# KiCad board Si5351ABreakout_panel.kicad_pcb (continued)
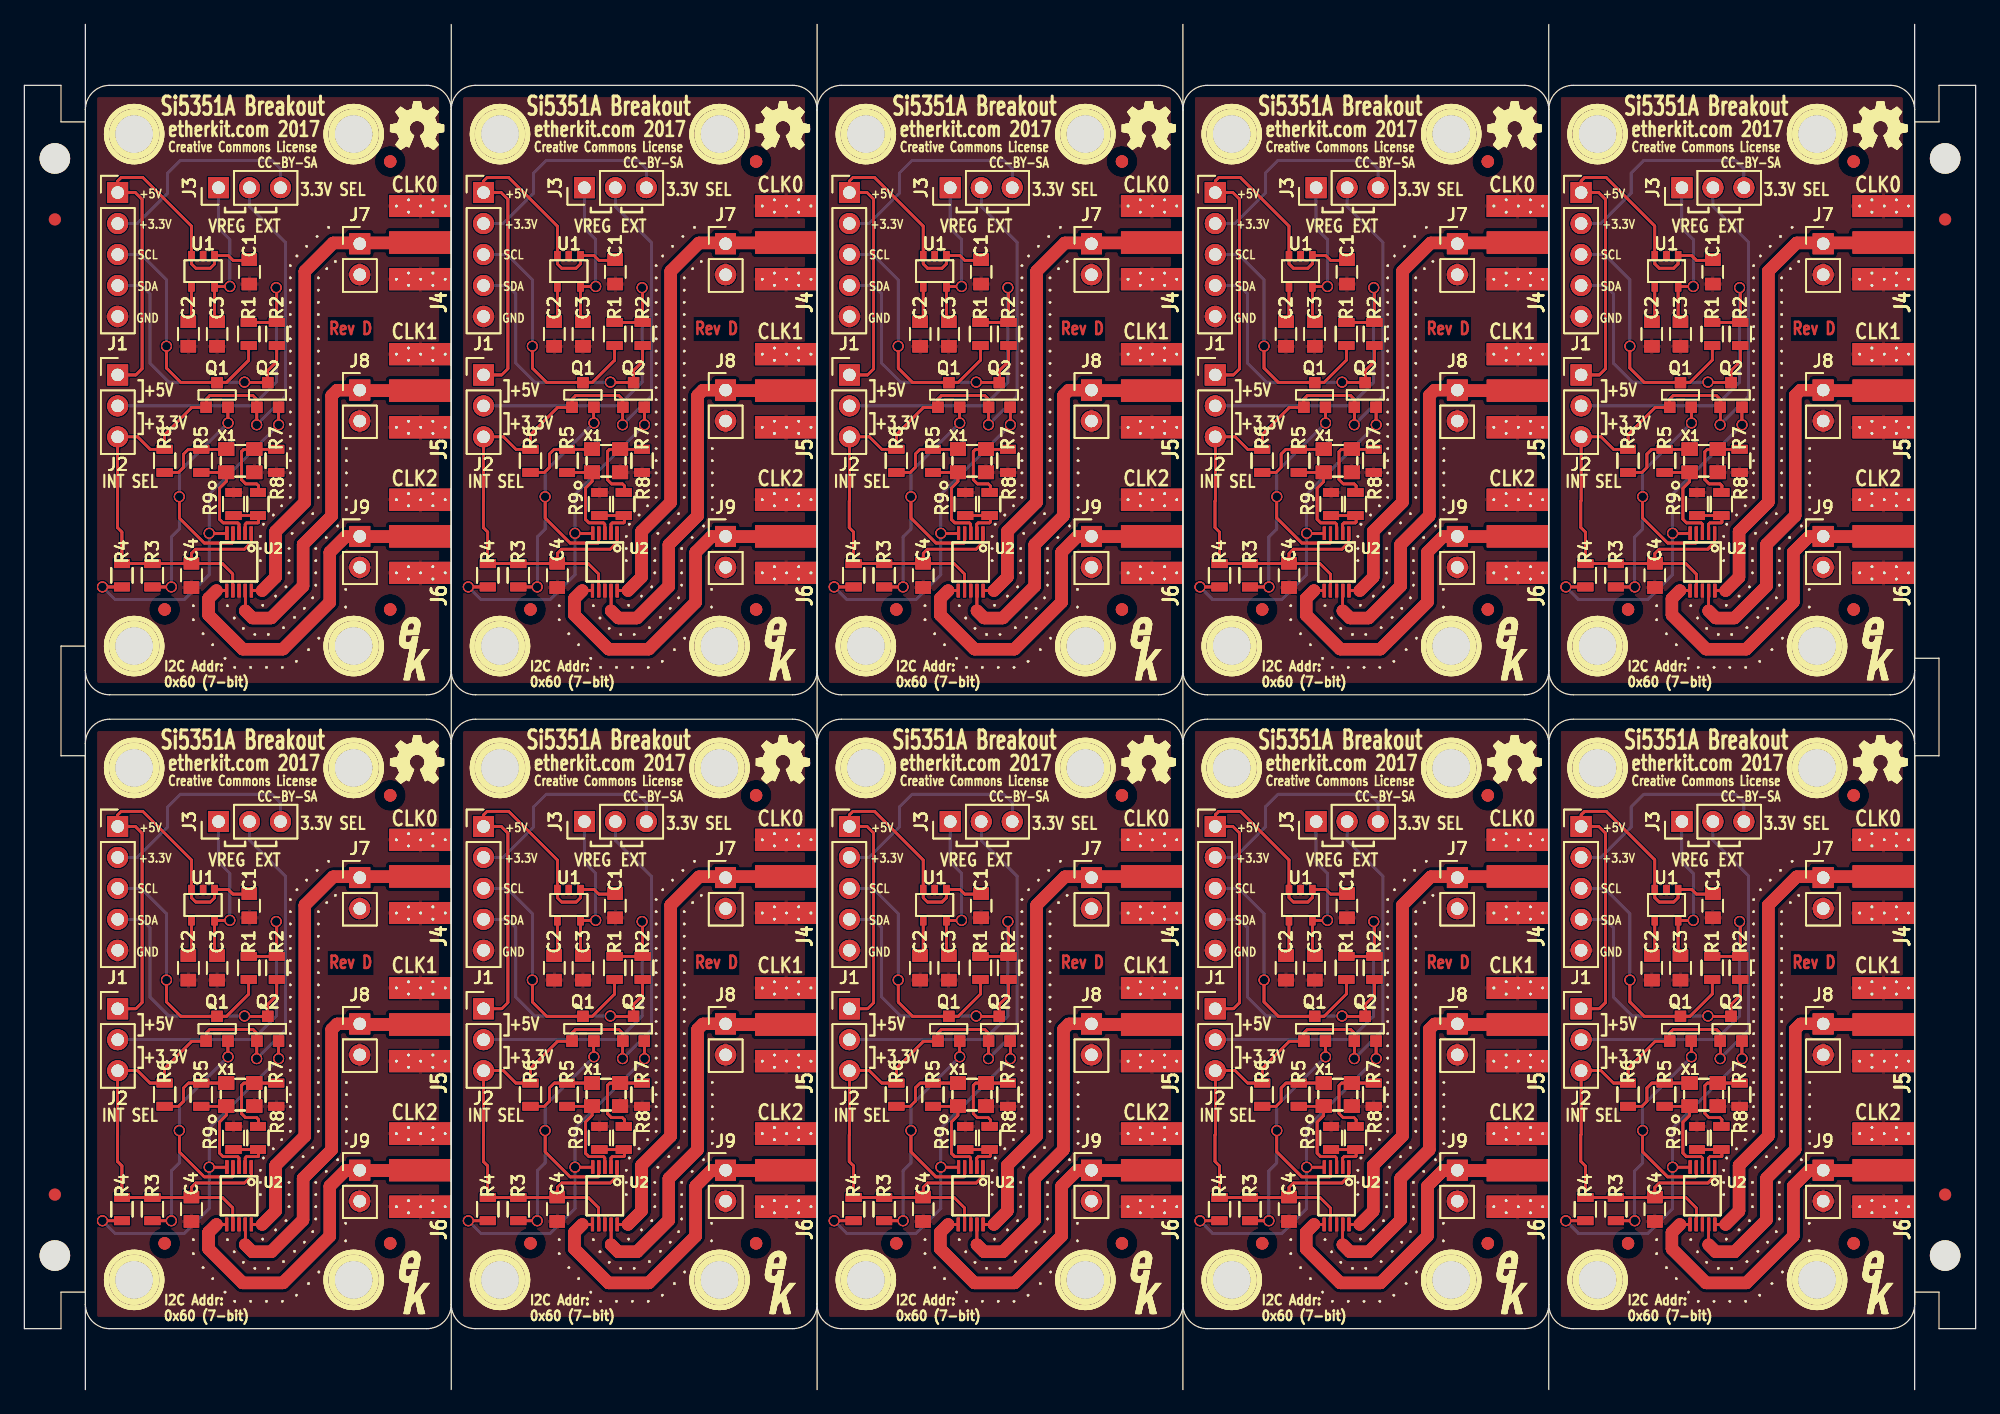
[diagram p0: board, top side]
## Placement (name value [footprint] x y rotation side) (continued)
VIA#2530  VAL**  [VIA]  24.1 37.2 0 top
VIA#2531  VAL**  [VIA]  24.1 37.2 0 top
VIA#2532  VAL**  [VIA]  24.1 38.2 0 top
VIA#2533  VAL**  [VIA]  21.8 23.2 0 top
VIA#2534  VAL**  [VIA]  21.8 22.2 0 top
VIA#2535  VAL**  [VIA]  21.8 22.2 0 top
VIA#2536  VAL**  [VIA]  21.8 22.2 0 top
VIA#2537  VAL**  [VIA]  21.8 22.2 0 top
VIA#2538  VAL**  [VIA]  21.8 23.2 0 top
VIA#2539  VAL**  [VIA]  21.8 23.2 0 top
VIA#2540  VAL**  [VIA]  24.1 26.2 0 top
VIA#2541  VAL**  [VIA]  24.1 26.2 0 top
VIA#2542  VAL**  [VIA]  24.1 25.2 0 top
VIA#2543  VAL**  [VIA]  21.8 25.2 0 top
VIA#2544  VAL**  [VIA]  21.8 24.2 0 top
VIA#2545  VAL**  [VIA]  21.8 24.2 0 top
VIA#2546  VAL**  [VIA]  21.8 23.2 0 top
VIA#2547  VAL**  [VIA]  24.1 22.2 0 top
VIA#2548  VAL**  [VIA]  24.1 22.2 0 top
VIA#2549  VAL**  [VIA]  21.8 24.2 0 top
VIA#2550  VAL**  [VIA]  21.8 24.2 0 top
VIA#2551  VAL**  [VIA]  24.1 23.2 0 top
VIA#2552  VAL**  [VIA]  24.1 24.2 0 top
VIA#2553  VAL**  [VIA]  24.1 25.2 0 top
VIA#2554  VAL**  [VIA]  24.1 24.2 0 top
VIA#2555  VAL**  [VIA]  24.1 23.2 0 top
VIA#2556  VAL**  [VIA]  21.8 26.2 0 top
VIA#2557  VAL**  [VIA]  21.8 25.2 0 top
VIA#2558  VAL**  [VIA]  21.8 26.2 0 top
VIA#2559  VAL**  [VIA]  21.8 25.2 0 top
VIA#2560  VAL**  [VIA]  21.8 26.2 0 top
VIA#2561  VAL**  [VIA]  24.1 34.2 0 top
VIA#2562  VAL**  [VIA]  24.1 34.2 0 top
VIA#2563  VAL**  [VIA]  24.1 33.2 0 top
VIA#2564  VAL**  [VIA]  24.1 34.2 0 top
VIA#2565  VAL**  [VIA]  24.1 33.2 0 top
VIA#2566  VAL**  [VIA]  24.1 33.2 0 top
VIA#2567  VAL**  [VIA]  21.8 32.2 0 top
VIA#2568  VAL**  [VIA]  21.8 33.2 0 top
VIA#2569  VAL**  [VIA]  21.8 32.2 0 top
VIA#2570  VAL**  [VIA]  21.8 32.2 0 top
VIA#2571  VAL**  [VIA]  21.8 32.2 0 top
VIA#2572  VAL**  [VIA]  24.1 33.2 0 top
VIA#2573  VAL**  [VIA]  24.1 31.2 0 top
VIA#2574  VAL**  [VIA]  24.1 32.2 0 top
VIA#2575  VAL**  [VIA]  24.1 32.2 0 top
VIA#2576  VAL**  [VIA]  24.1 32.2 0 top
VIA#2577  VAL**  [VIA]  24.1 32.2 0 top
VIA#2578  VAL**  [VIA]  24.1 31.2 0 top
VIA#2579  VAL**  [VIA]  21.8 31.2 0 top
VIA#2580  VAL**  [VIA]  21.8 31.2 0 top
VIA#2581  VAL**  [VIA]  21.8 31.2 0 top
VIA#2582  VAL**  [VIA]  21.8 31.2 0 top
VIA#2583  VAL**  [VIA]  21.8 33.2 0 top
VIA#2584  VAL**  [VIA]  21.8 33.2 0 top
VIA#2585  VAL**  [VIA]  21.8 33.2 0 top
VIA#2586  VAL**  [VIA]  21.8 34.2 0 top
VIA#2587  VAL**  [VIA]  21.8 28.2 0 top
VIA#2588  VAL**  [VIA]  21.8 29.2 0 top
VIA#2589  VAL**  [VIA]  21.8 29.2 0 top
VIA#2590  VAL**  [VIA]  21.8 29.2 0 top
VIA#2591  VAL**  [VIA]  21.8 29.2 0 top
VIA#2592  VAL**  [VIA]  24.1 27.2 0 top
VIA#2593  VAL**  [VIA]  24.1 28.2 0 top
VIA#2594  VAL**  [VIA]  24.1 28.2 0 top
VIA#2595  VAL**  [VIA]  24.1 27.2 0 top
VIA#2596  VAL**  [VIA]  21.8 27.2 0 top
VIA#2597  VAL**  [VIA]  21.8 28.2 0 top
VIA#2598  VAL**  [VIA]  21.8 27.2 0 top
VIA#2599  VAL**  [VIA]  21.8 27.2 0 top
VIA#2600  VAL**  [VIA]  21.8 27.2 0 top
VIA#2601  VAL**  [VIA]  21.8 28.2 0 top
VIA#2602  VAL**  [VIA]  21.8 28.2 0 top
VIA#2603  VAL**  [VIA]  21.8 30.2 0 top
VIA#2604  VAL**  [VIA]  21.8 30.2 0 top
VIA#2605  VAL**  [VIA]  24.1 30.2 0 top
VIA#2606  VAL**  [VIA]  24.1 30.2 0 top
VIA#2607  VAL**  [VIA]  21.8 30.2 0 top
VIA#2608  VAL**  [VIA]  21.8 30.2 0 top
VIA#2609  VAL**  [VIA]  24.1 29.2 0 top
VIA#2610  VAL**  [VIA]  24.1 27.2 0 top
VIA#2611  VAL**  [VIA]  24.1 28.2 0 top
VIA#2612  VAL**  [VIA]  24.1 28.2 0 top
VIA#2613  VAL**  [VIA]  24.1 27.2 0 top
VIA#2614  VAL**  [VIA]  81.95 18.25 0 top
VIA#2615  VAL**  [VIA]  81.95 18.25 0 top
VIA#2616  VAL**  [VIA]  81.1 20.5 0 top
VIA#2617  VAL**  [VIA]  81.95 18.25 0 top
VIA#2618  VAL**  [VIA]  81.1 20.5 0 top
VIA#2619  VAL**  [VIA]  81.1 20.5 0 top
VIA#2620  VAL**  [VIA]  80.4 19.75 0 top
VIA#2621  VAL**  [VIA]  79.6 19 0 top
VIA#2622  VAL**  [VIA]  79.6 19 0 top
VIA#2623  VAL**  [VIA]  80.4 19.75 0 top
VIA#2624  VAL**  [VIA]  81.8 21.2 0 top
VIA#2625  VAL**  [VIA]  81.8 21.2 0 top
VIA#2626  VAL**  [VIA]  81.8 24.2 0 top
VIA#2627  VAL**  [VIA]  81.8 38.2 0 top
VIA#2628  VAL**  [VIA]  81.8 39.2 0 top
VIA#2629  VAL**  [VIA]  81.8 39.2 0 top
VIA#2630  VAL**  [VIA]  81.8 39.2 0 top
VIA#2631  VAL**  [VIA]  82.35 41 0 top
VIA#2632  VAL**  [VIA]  81.8 40.2 0 top
VIA#2633  VAL**  [VIA]  81.8 40.2 0 top
VIA#2634  VAL**  [VIA]  81.8 40.2 0 top
VIA#2635  VAL**  [VIA]  82.35 41 0 top
VIA#2636  VAL**  [VIA]  81.8 36.2 0 top
VIA#2637  VAL**  [VIA]  81.8 37.2 0 top
VIA#2638  VAL**  [VIA]  81.8 38.2 0 top
VIA#2639  VAL**  [VIA]  81.8 37.2 0 top
VIA#2640  VAL**  [VIA]  81.8 36.2 0 top
VIA#2641  VAL**  [VIA]  82.35 41 0 top
VIA#2642  VAL**  [VIA]  82.35 41 0 top
VIA#2643  VAL**  [VIA]  81.8 34.2 0 top
VIA#2644  VAL**  [VIA]  81.8 35.2 0 top
VIA#2645  VAL**  [VIA]  81.8 35.2 0 top
VIA#2646  VAL**  [VIA]  81.8 34.2 0 top
VIA#2647  VAL**  [VIA]  81.8 28.2 0 top
VIA#2648  VAL**  [VIA]  81.8 29.2 0 top
VIA#2649  VAL**  [VIA]  81.8 30.2 0 top
VIA#2650  VAL**  [VIA]  81.8 30.2 0 top
VIA#2651  VAL**  [VIA]  81.8 29.2 0 top
VIA#2652  VAL**  [VIA]  81.8 28.2 0 top
VIA#2653  VAL**  [VIA]  81.8 33.2 0 top
VIA#2654  VAL**  [VIA]  81.8 32.2 0 top
VIA#2655  VAL**  [VIA]  81.8 33.2 0 top
VIA#2656  VAL**  [VIA]  81.8 32.2 0 top
VIA#2657  VAL**  [VIA]  81.8 26.2 0 top
VIA#2658  VAL**  [VIA]  81.8 27.2 0 top
VIA#2659  VAL**  [VIA]  81.8 27.2 0 top
VIA#2660  VAL**  [VIA]  81.8 27.2 0 top
VIA#2661  VAL**  [VIA]  81.8 26.2 0 top
VIA#2662  VAL**  [VIA]  81.8 25.2 0 top
VIA#2663  VAL**  [VIA]  81.8 24.2 0 top
VIA#2664  VAL**  [VIA]  81.8 26.2 0 top
VIA#2665  VAL**  [VIA]  81.8 25.2 0 top
VIA#2666  VAL**  [VIA]  81.8 25.2 0 top
VIA#2667  VAL**  [VIA]  81.8 24.2 0 top
VIA#2668  VAL**  [VIA]  81.8 23.2 0 top
VIA#2669  VAL**  [VIA]  81.8 23.2 0 top
VIA#2670  VAL**  [VIA]  81.8 22.2 0 top
VIA#2671  VAL**  [VIA]  81.8 22.2 0 top
VIA#2672  VAL**  [VIA]  81.8 23.2 0 top
VIA#2673  VAL**  [VIA]  54 42.6 0 top
VIA#2674  VAL**  [VIA]  53.15 41.8 0 top
VIA#2675  VAL**  [VIA]  54 42.6 0 top
VIA#2676  VAL**  [VIA]  54 42.6 0 top
VIA#2677  VAL**  [VIA]  53.15 41.8 0 top
VIA#2678  VAL**  [VIA]  53.15 41.8 0 top
VIA#2679  VAL**  [VIA]  54 42.6 0 top
VIA#2680  VAL**  [VIA]  53.15 41.8 0 top
VIA#2681  VAL**  [VIA]  54.8 39.95 0 top
VIA#2682  VAL**  [VIA]  54.8 39.95 0 top
VIA#2683  VAL**  [VIA]  55.5 40.55 0 top
VIA#2684  VAL**  [VIA]  55.5 40.55 0 top
VIA#2685  VAL**  [VIA]  55.5 40.55 0 top
VIA#2686  VAL**  [VIA]  54.8 39.95 0 top
VIA#2687  VAL**  [VIA]  54.8 39.95 0 top
VIA#2688  VAL**  [VIA]  55.5 40.55 0 top
VIA#2689  VAL**  [VIA]  54.95 43.35 0 top
VIA#2690  VAL**  [VIA]  54.95 43.35 0 top
VIA#2691  VAL**  [VIA]  54.95 43.35 0 top
VIA#2692  VAL**  [VIA]  54.95 43.35 0 top
VIA#2693  VAL**  [VIA]  54.1 37.2 0 top
VIA#2694  VAL**  [VIA]  54.1 38.2 0 top
VIA#2695  VAL**  [VIA]  54.1 37.2 0 top
VIA#2696  VAL**  [VIA]  54.1 37.2 0 top
VIA#2697  VAL**  [VIA]  54.1 37.2 0 top
VIA#2698  VAL**  [VIA]  54.1 36.2 0 top
VIA#2699  VAL**  [VIA]  54.1 36.2 0 top
VIA#2700  VAL**  [VIA]  54.1 36.2 0 top
VIA#2701  VAL**  [VIA]  54.1 36.2 0 top
VIA#2702  VAL**  [VIA]  54.1 35.2 0 top
VIA#2703  VAL**  [VIA]  54.1 35.2 0 top
VIA#2704  VAL**  [VIA]  51.8 34.2 0 top
VIA#2705  VAL**  [VIA]  51.8 34.2 0 top
VIA#2706  VAL**  [VIA]  51.8 34.2 0 top
VIA#2707  VAL**  [VIA]  51.8 35.2 0 top
VIA#2708  VAL**  [VIA]  51.8 34.2 0 top
VIA#2709  VAL**  [VIA]  51.8 35.2 0 top
VIA#2710  VAL**  [VIA]  51.8 37.2 0 top
VIA#2711  VAL**  [VIA]  51.8 38.2 0 top
VIA#2712  VAL**  [VIA]  51.8 37.2 0 top
VIA#2713  VAL**  [VIA]  51.8 37.2 0 top
VIA#2714  VAL**  [VIA]  51.8 37.2 0 top
VIA#2715  VAL**  [VIA]  56.4 25.2 0 top
VIA#2716  VAL**  [VIA]  56.4 24.2 0 top
VIA#2717  VAL**  [VIA]  56.4 23.2 0 top
VIA#2718  VAL**  [VIA]  56.4 22.2 0 top
VIA#2719  VAL**  [VIA]  56.4 22.2 0 top
VIA#2720  VAL**  [VIA]  51.8 35.2 0 top
VIA#2721  VAL**  [VIA]  51.8 36.2 0 top
VIA#2722  VAL**  [VIA]  51.8 35.2 0 top
VIA#2723  VAL**  [VIA]  51.8 36.2 0 top
VIA#2724  VAL**  [VIA]  51.8 36.2 0 top
VIA#2725  VAL**  [VIA]  51.8 36.2 0 top
VIA#2726  VAL**  [VIA]  54.1 35.2 0 top
VIA#2727  VAL**  [VIA]  54.1 34.2 0 top
VIA#2728  VAL**  [VIA]  54.1 35.2 0 top
VIA#2729  VAL**  [VIA]  54.1 34.2 0 top
VIA#2730  VAL**  [VIA]  54.1 34.2 0 top
VIA#2731  VAL**  [VIA]  54.1 34.2 0 top
VIA#2732  VAL**  [VIA]  51.8 39.2 0 top
VIA#2733  VAL**  [VIA]  51.8 39.2 0 top
VIA#2734  VAL**  [VIA]  51.8 40.2 0 top
VIA#2735  VAL**  [VIA]  51.8 39.2 0 top
VIA#2736  VAL**  [VIA]  51.8 40.2 0 top
VIA#2737  VAL**  [VIA]  51.8 39.2 0 top
VIA#2738  VAL**  [VIA]  51.8 40.2 0 top
VIA#2739  VAL**  [VIA]  51.8 38.2 0 top
VIA#2740  VAL**  [VIA]  54.1 38.2 0 top
VIA#2741  VAL**  [VIA]  51.8 38.2 0 top
VIA#2742  VAL**  [VIA]  54.1 38.2 0 top
VIA#2743  VAL**  [VIA]  51.8 38.2 0 top
VIA#2744  VAL**  [VIA]  52.35 41 0 top
VIA#2745  VAL**  [VIA]  51.8 40.2 0 top
VIA#2746  VAL**  [VIA]  52.35 41 0 top
VIA#2747  VAL**  [VIA]  52.35 41 0 top
VIA#2748  VAL**  [VIA]  52.35 41 0 top
VIA#2749  VAL**  [VIA]  54.1 39.2 0 top
VIA#2750  VAL**  [VIA]  54.1 39.2 0 top
VIA#2751  VAL**  [VIA]  54.1 38.2 0 top
VIA#2752  VAL**  [VIA]  54.1 39.2 0 top
VIA#2753  VAL**  [VIA]  54.1 39.2 0 top
VIA#2754  VAL**  [VIA]  54.1 31.2 0 top
VIA#2755  VAL**  [VIA]  54.1 30.2 0 top
VIA#2756  VAL**  [VIA]  54.1 31.2 0 top
VIA#2757  VAL**  [VIA]  54.1 31.2 0 top
VIA#2758  VAL**  [VIA]  54.1 30.2 0 top
VIA#2759  VAL**  [VIA]  54.1 30.2 0 top
VIA#2760  VAL**  [VIA]  54.1 31.2 0 top
VIA#2761  VAL**  [VIA]  54.1 30.2 0 top
VIA#2762  VAL**  [VIA]  51.8 30.2 0 top
VIA#2763  VAL**  [VIA]  51.8 30.2 0 top
VIA#2764  VAL**  [VIA]  51.8 30.2 0 top
VIA#2765  VAL**  [VIA]  51.8 31.2 0 top
VIA#2766  VAL**  [VIA]  51.8 31.2 0 top
VIA#2767  VAL**  [VIA]  51.8 30.2 0 top
VIA#2768  VAL**  [VIA]  51.8 31.2 0 top
VIA#2769  VAL**  [VIA]  51.8 31.2 0 top
VIA#2770  VAL**  [VIA]  54.1 28.2 0 top
VIA#2771  VAL**  [VIA]  54.1 28.2 0 top
VIA#2772  VAL**  [VIA]  54.1 29.2 0 top
VIA#2773  VAL**  [VIA]  54.1 29.2 0 top
VIA#2774  VAL**  [VIA]  54.1 28.2 0 top
VIA#2775  VAL**  [VIA]  54.1 29.2 0 top
VIA#2776  VAL**  [VIA]  54.1 28.2 0 top
VIA#2777  VAL**  [VIA]  54.1 29.2 0 top
VIA#2778  VAL**  [VIA]  51.8 29.2 0 top
VIA#2779  VAL**  [VIA]  51.8 28.2 0 top
VIA#2780  VAL**  [VIA]  51.8 29.2 0 top
VIA#2781  VAL**  [VIA]  51.8 28.2 0 top
VIA#2782  VAL**  [VIA]  51.8 28.2 0 top
VIA#2783  VAL**  [VIA]  51.8 28.2 0 top
VIA#2784  VAL**  [VIA]  51.8 29.2 0 top
VIA#2785  VAL**  [VIA]  51.8 29.2 0 top
VIA#2786  VAL**  [VIA]  50.4 19.75 0 top
VIA#2787  VAL**  [VIA]  51.1 20.5 0 top
VIA#2788  VAL**  [VIA]  50.4 19.75 0 top
VIA#2789  VAL**  [VIA]  50.4 19.75 0 top
VIA#2790  VAL**  [VIA]  51.1 20.5 0 top
VIA#2791  VAL**  [VIA]  51.1 20.5 0 top
VIA#2792  VAL**  [VIA]  51.1 20.5 0 top
VIA#2793  VAL**  [VIA]  50.4 19.75 0 top
VIA#2794  VAL**  [VIA]  54.1 26.2 0 top
VIA#2795  VAL**  [VIA]  54.1 27.2 0 top
VIA#2796  VAL**  [VIA]  54.1 27.2 0 top
VIA#2797  VAL**  [VIA]  54.1 26.2 0 top
VIA#2798  VAL**  [VIA]  54.1 27.2 0 top
VIA#2799  VAL**  [VIA]  54.1 27.2 0 top
VIA#2800  VAL**  [VIA]  54.1 26.2 0 top
VIA#2801  VAL**  [VIA]  54.1 26.2 0 top
VIA#2802  VAL**  [VIA]  54.1 24.2 0 top
VIA#2803  VAL**  [VIA]  54.1 25.2 0 top
VIA#2804  VAL**  [VIA]  54.1 24.2 0 top
VIA#2805  VAL**  [VIA]  54.1 24.2 0 top
VIA#2806  VAL**  [VIA]  54.1 25.2 0 top
VIA#2807  VAL**  [VIA]  54.1 25.2 0 top
VIA#2808  VAL**  [VIA]  54.1 25.2 0 top
VIA#2809  VAL**  [VIA]  54.1 24.2 0 top
VIA#2810  VAL**  [VIA]  51.8 27.2 0 top
VIA#2811  VAL**  [VIA]  51.8 27.2 0 top
VIA#2812  VAL**  [VIA]  51.8 26.2 0 top
VIA#2813  VAL**  [VIA]  51.8 26.2 0 top
VIA#2814  VAL**  [VIA]  51.8 27.2 0 top
VIA#2815  VAL**  [VIA]  51.8 26.2 0 top
VIA#2816  VAL**  [VIA]  51.8 27.2 0 top
VIA#2817  VAL**  [VIA]  51.8 25.2 0 top
VIA#2818  VAL**  [VIA]  51.8 25.2 0 top
VIA#2819  VAL**  [VIA]  51.8 26.2 0 top
VIA#2820  VAL**  [VIA]  51.8 25.2 0 top
VIA#2821  VAL**  [VIA]  51.8 25.2 0 top
VIA#2822  VAL**  [VIA]  51.8 24.2 0 top
VIA#2823  VAL**  [VIA]  51.8 24.2 0 top
VIA#2824  VAL**  [VIA]  51.8 24.2 0 top
VIA#2825  VAL**  [VIA]  51.8 24.2 0 top
VIA#2826  VAL**  [VIA]  54.1 33.2 0 top
VIA#2827  VAL**  [VIA]  54.1 32.2 0 top
VIA#2828  VAL**  [VIA]  54.1 33.2 0 top
VIA#2829  VAL**  [VIA]  54.1 33.2 0 top
VIA#2830  VAL**  [VIA]  54.1 32.2 0 top
VIA#2831  VAL**  [VIA]  54.1 32.2 0 top
VIA#2832  VAL**  [VIA]  54.1 33.2 0 top
VIA#2833  VAL**  [VIA]  54.1 32.2 0 top
VIA#2834  VAL**  [VIA]  51.8 32.2 0 top
VIA#2835  VAL**  [VIA]  51.8 33.2 0 top
VIA#2836  VAL**  [VIA]  51.8 32.2 0 top
VIA#2837  VAL**  [VIA]  51.8 32.2 0 top
VIA#2838  VAL**  [VIA]  51.8 33.2 0 top
VIA#2839  VAL**  [VIA]  51.8 33.2 0 top
VIA#2840  VAL**  [VIA]  51.8 32.2 0 top
VIA#2841  VAL**  [VIA]  51.8 33.2 0 top
VIA#2842  VAL**  [VIA]  144.95 43.35 0 top
VIA#2843  VAL**  [VIA]  144.95 43.35 0 top
VIA#2844  VAL**  [VIA]  144.95 43.35 0 top
VIA#2845  VAL**  [VIA]  144.95 43.35 0 top
VIA#2846  VAL**  [VIA]  145.5 40.55 0 top
VIA#2847  VAL**  [VIA]  144.8 39.95 0 top
VIA#2848  VAL**  [VIA]  145.5 40.55 0 top
VIA#2849  VAL**  [VIA]  145.5 40.55 0 top
VIA#2850  VAL**  [VIA]  144.8 39.95 0 top
VIA#2851  VAL**  [VIA]  144.8 39.95 0 top
VIA#2852  VAL**  [VIA]  145.5 40.55 0 top
VIA#2853  VAL**  [VIA]  144.8 39.95 0 top
VIA#2854  VAL**  [VIA]  144.1 36.2 0 top
VIA#2855  VAL**  [VIA]  144.1 36.2 0 top
VIA#2856  VAL**  [VIA]  144.1 35.2 0 top
VIA#2857  VAL**  [VIA]  144.1 36.2 0 top
VIA#2858  VAL**  [VIA]  144.1 35.2 0 top
VIA#2859  VAL**  [VIA]  144.1 35.2 0 top
VIA#2860  VAL**  [VIA]  144.1 36.2 0 top
VIA#2861  VAL**  [VIA]  144.1 35.2 0 top
VIA#2862  VAL**  [VIA]  141.8 35.2 0 top
VIA#2863  VAL**  [VIA]  141.8 35.2 0 top
VIA#2864  VAL**  [VIA]  141.8 36.2 0 top
VIA#2865  VAL**  [VIA]  141.8 36.2 0 top
VIA#2866  VAL**  [VIA]  141.8 36.2 0 top
VIA#2867  VAL**  [VIA]  141.8 35.2 0 top
VIA#2868  VAL**  [VIA]  141.8 35.2 0 top
VIA#2869  VAL**  [VIA]  141.8 36.2 0 top
VIA#2870  VAL**  [VIA]  141.8 33.2 0 top
VIA#2871  VAL**  [VIA]  141.8 33.2 0 top
VIA#2872  VAL**  [VIA]  141.8 33.2 0 top
VIA#2873  VAL**  [VIA]  141.8 34.2 0 top
VIA#2874  VAL**  [VIA]  141.8 33.2 0 top
VIA#2875  VAL**  [VIA]  141.8 34.2 0 top
VIA#2876  VAL**  [VIA]  141.8 34.2 0 top
VIA#2877  VAL**  [VIA]  141.8 34.2 0 top
VIA#2878  VAL**  [VIA]  141.8 38.2 0 top
VIA#2879  VAL**  [VIA]  141.8 37.2 0 top
VIA#2880  VAL**  [VIA]  141.8 37.2 0 top
VIA#2881  VAL**  [VIA]  141.8 38.2 0 top
VIA#2882  VAL**  [VIA]  141.8 38.2 0 top
VIA#2883  VAL**  [VIA]  141.8 37.2 0 top
VIA#2884  VAL**  [VIA]  141.8 37.2 0 top
VIA#2885  VAL**  [VIA]  141.8 38.2 0 top
VIA#2886  VAL**  [VIA]  144.1 37.2 0 top
VIA#2887  VAL**  [VIA]  144.1 38.2 0 top
VIA#2888  VAL**  [VIA]  144.1 38.2 0 top
VIA#2889  VAL**  [VIA]  144.1 37.2 0 top
VIA#2890  VAL**  [VIA]  144.1 38.2 0 top
VIA#2891  VAL**  [VIA]  144.1 38.2 0 top
VIA#2892  VAL**  [VIA]  144.1 37.2 0 top
VIA#2893  VAL**  [VIA]  144.1 37.2 0 top
VIA#2894  VAL**  [VIA]  144.1 34.2 0 top
VIA#2895  VAL**  [VIA]  144.1 33.2 0 top
VIA#2896  VAL**  [VIA]  144.1 33.2 0 top
VIA#2897  VAL**  [VIA]  144.1 34.2 0 top
VIA#2898  VAL**  [VIA]  144.1 34.2 0 top
VIA#2899  VAL**  [VIA]  144.1 33.2 0 top
VIA#2900  VAL**  [VIA]  144.1 34.2 0 top
VIA#2901  VAL**  [VIA]  144.1 33.2 0 top
VIA#2902  VAL**  [VIA]  114.1 38.2 0 top
VIA#2903  VAL**  [VIA]  114.1 39.2 0 top
VIA#2904  VAL**  [VIA]  114.1 39.2 0 top
VIA#2905  VAL**  [VIA]  114.1 39.2 0 top
VIA#2906  VAL**  [VIA]  114.1 39.2 0 top
VIA#2907  VAL**  [VIA]  114 42.6 0 top
VIA#2908  VAL**  [VIA]  113.15 41.8 0 top
VIA#2909  VAL**  [VIA]  114 42.6 0 top
VIA#2910  VAL**  [VIA]  114 42.6 0 top
VIA#2911  VAL**  [VIA]  113.15 41.8 0 top
VIA#2912  VAL**  [VIA]  113.15 41.8 0 top
VIA#2913  VAL**  [VIA]  114 42.6 0 top
VIA#2914  VAL**  [VIA]  113.15 41.8 0 top
VIA#2915  VAL**  [VIA]  114.1 37.2 0 top
VIA#2916  VAL**  [VIA]  114.1 36.2 0 top
VIA#2917  VAL**  [VIA]  114.1 37.2 0 top
VIA#2918  VAL**  [VIA]  114.1 36.2 0 top
VIA#2919  VAL**  [VIA]  114.1 36.2 0 top
VIA#2920  VAL**  [VIA]  114.1 36.2 0 top
VIA#2921  VAL**  [VIA]  114.1 37.2 0 top
VIA#2922  VAL**  [VIA]  114.1 38.2 0 top
VIA#2923  VAL**  [VIA]  114.1 37.2 0 top
VIA#2924  VAL**  [VIA]  114.1 38.2 0 top
VIA#2925  VAL**  [VIA]  114.1 38.2 0 top
VIA#2926  VAL**  [VIA]  112.35 41 0 top
VIA#2927  VAL**  [VIA]  111.8 40.2 0 top
VIA#2928  VAL**  [VIA]  112.35 41 0 top
VIA#2929  VAL**  [VIA]  112.35 41 0 top
VIA#2930  VAL**  [VIA]  112.35 41 0 top
VIA#2931  VAL**  [VIA]  144.1 31.2 0 top
VIA#2932  VAL**  [VIA]  144.1 30.2 0 top
VIA#2933  VAL**  [VIA]  144.1 31.2 0 top
VIA#2934  VAL**  [VIA]  144.1 31.2 0 top
VIA#2935  VAL**  [VIA]  144.1 31.2 0 top
VIA#2936  VAL**  [VIA]  144.1 32.2 0 top
VIA#2937  VAL**  [VIA]  144.1 32.2 0 top
VIA#2938  VAL**  [VIA]  144.1 32.2 0 top
VIA#2939  VAL**  [VIA]  144.1 32.2 0 top
VIA#2940  VAL**  [VIA]  141.8 30.2 0 top
VIA#2941  VAL**  [VIA]  141.8 31.2 0 top
VIA#2942  VAL**  [VIA]  141.8 31.2 0 top
VIA#2943  VAL**  [VIA]  141.8 31.2 0 top
VIA#2944  VAL**  [VIA]  141.8 31.2 0 top
VIA#2945  VAL**  [VIA]  141.8 32.2 0 top
VIA#2946  VAL**  [VIA]  141.8 32.2 0 top
VIA#2947  VAL**  [VIA]  141.8 32.2 0 top
VIA#2948  VAL**  [VIA]  141.8 32.2 0 top
VIA#2949  VAL**  [VIA]  141.8 30.2 0 top
VIA#2950  VAL**  [VIA]  141.8 30.2 0 top
VIA#2951  VAL**  [VIA]  141.8 29.2 0 top
VIA#2952  VAL**  [VIA]  141.8 29.2 0 top
VIA#2953  VAL**  [VIA]  141.8 30.2 0 top
VIA#2954  VAL**  [VIA]  114.95 43.35 0 top
VIA#2955  VAL**  [VIA]  114.95 43.35 0 top
VIA#2956  VAL**  [VIA]  114.95 43.35 0 top
VIA#2957  VAL**  [VIA]  114.95 43.35 0 top
VIA#2958  VAL**  [VIA]  115.5 40.55 0 top
VIA#2959  VAL**  [VIA]  114.8 39.95 0 top
VIA#2960  VAL**  [VIA]  114.8 39.95 0 top
VIA#2961  VAL**  [VIA]  115.5 40.55 0 top
VIA#2962  VAL**  [VIA]  114.8 39.95 0 top
VIA#2963  VAL**  [VIA]  115.5 40.55 0 top
VIA#2964  VAL**  [VIA]  115.5 40.55 0 top
VIA#2965  VAL**  [VIA]  114.8 39.95 0 top
VIA#2966  VAL**  [VIA]  142.35 41 0 top
VIA#2967  VAL**  [VIA]  143.15 41.8 0 top
VIA#2968  VAL**  [VIA]  143.15 41.8 0 top
VIA#2969  VAL**  [VIA]  142.35 41 0 top
VIA#2970  VAL**  [VIA]  142.35 41 0 top
VIA#2971  VAL**  [VIA]  143.15 41.8 0 top
VIA#2972  VAL**  [VIA]  143.15 41.8 0 top
VIA#2973  VAL**  [VIA]  144 42.6 0 top
VIA#2974  VAL**  [VIA]  144 42.6 0 top
VIA#2975  VAL**  [VIA]  144 42.6 0 top
VIA#2976  VAL**  [VIA]  144 42.6 0 top
VIA#2977  VAL**  [VIA]  144.1 39.2 0 top
VIA#2978  VAL**  [VIA]  144.1 39.2 0 top
VIA#2979  VAL**  [VIA]  144.1 39.2 0 top
VIA#2980  VAL**  [VIA]  142.35 41 0 top
VIA#2981  VAL**  [VIA]  144.1 39.2 0 top
VIA#2982  VAL**  [VIA]  141.8 39.2 0 top
VIA#2983  VAL**  [VIA]  141.8 40.2 0 top
VIA#2984  VAL**  [VIA]  141.8 39.2 0 top
VIA#2985  VAL**  [VIA]  141.8 39.2 0 top
VIA#2986  VAL**  [VIA]  141.8 40.2 0 top
VIA#2987  VAL**  [VIA]  141.8 40.2 0 top
VIA#2988  VAL**  [VIA]  141.8 39.2 0 top
VIA#2989  VAL**  [VIA]  141.8 40.2 0 top
VIA#2990  VAL**  [VIA]  146.4 25.2 0 top
VIA#2991  VAL**  [VIA]  146.4 24.2 0 top
VIA#2992  VAL**  [VIA]  146.4 25.2 0 top
VIA#2993  VAL**  [VIA]  146.4 25.2 0 top
VIA#2994  VAL**  [VIA]  146.4 24.2 0 top
VIA#2995  VAL**  [VIA]  146.4 24.2 0 top
VIA#2996  VAL**  [VIA]  146.4 25.2 0 top
VIA#2997  VAL**  [VIA]  146.4 24.2 0 top
VIA#2998  VAL**  [VIA]  144.1 27.2 0 top
VIA#2999  VAL**  [VIA]  144.1 26.2 0 top
VIA#3000  VAL**  [VIA]  144.1 27.2 0 top
VIA#3001  VAL**  [VIA]  144.1 26.2 0 top
VIA#3002  VAL**  [VIA]  144.1 26.2 0 top
VIA#3003  VAL**  [VIA]  144.1 27.2 0 top
VIA#3004  VAL**  [VIA]  144.1 27.2 0 top
VIA#3005  VAL**  [VIA]  144.1 26.2 0 top
VIA#3006  VAL**  [VIA]  144.1 25.2 0 top
VIA#3007  VAL**  [VIA]  144.1 24.2 0 top
VIA#3008  VAL**  [VIA]  144.1 25.2 0 top
VIA#3009  VAL**  [VIA]  144.1 25.2 0 top
VIA#3010  VAL**  [VIA]  144.1 24.2 0 top
VIA#3011  VAL**  [VIA]  144.1 24.2 0 top
VIA#3012  VAL**  [VIA]  144.1 25.2 0 top
VIA#3013  VAL**  [VIA]  144.1 24.2 0 top
VIA#3014  VAL**  [VIA]  144.1 28.2 0 top
VIA#3015  VAL**  [VIA]  144.1 28.2 0 top
VIA#3016  VAL**  [VIA]  144.1 29.2 0 top
VIA#3017  VAL**  [VIA]  144.1 28.2 0 top
VIA#3018  VAL**  [VIA]  144.1 28.2 0 top
VIA#3019  VAL**  [VIA]  144.1 29.2 0 top
VIA#3020  VAL**  [VIA]  144.1 29.2 0 top
VIA#3021  VAL**  [VIA]  144.1 30.2 0 top
VIA#3022  VAL**  [VIA]  144.1 29.2 0 top
VIA#3023  VAL**  [VIA]  144.1 30.2 0 top
VIA#3024  VAL**  [VIA]  144.1 30.2 0 top
VIA#3025  VAL**  [VIA]  141.8 26.2 0 top
VIA#3026  VAL**  [VIA]  141.8 26.2 0 top
VIA#3027  VAL**  [VIA]  141.8 26.2 0 top
VIA#3028  VAL**  [VIA]  141.8 27.2 0 top
VIA#3029  VAL**  [VIA]  141.8 26.2 0 top
VIA#3030  VAL**  [VIA]  141.8 27.2 0 top
VIA#3031  VAL**  [VIA]  141.8 27.2 0 top
VIA#3032  VAL**  [VIA]  141.8 27.2 0 top
VIA#3033  VAL**  [VIA]  141.8 25.2 0 top
VIA#3034  VAL**  [VIA]  141.8 25.2 0 top
VIA#3035  VAL**  [VIA]  141.8 25.2 0 top
VIA#3036  VAL**  [VIA]  141.8 25.2 0 top
VIA#3037  VAL**  [VIA]  141.8 24.2 0 top
VIA#3038  VAL**  [VIA]  141.8 24.2 0 top
VIA#3039  VAL**  [VIA]  141.8 24.2 0 top
VIA#3040  VAL**  [VIA]  141.8 23.2 0 top
VIA#3041  VAL**  [VIA]  141.8 23.2 0 top
VIA#3042  VAL**  [VIA]  141.8 23.2 0 top
VIA#3043  VAL**  [VIA]  141.8 23.2 0 top
VIA#3044  VAL**  [VIA]  141.8 24.2 0 top
VIA#3045  VAL**  [VIA]  141.8 28.2 0 top
VIA#3046  VAL**  [VIA]  141.8 28.2 0 top
VIA#3047  VAL**  [VIA]  141.8 29.2 0 top
VIA#3048  VAL**  [VIA]  141.8 28.2 0 top
VIA#3049  VAL**  [VIA]  141.8 28.2 0 top
VIA#3050  VAL**  [VIA]  141.8 29.2 0 top
VIA#3051  VAL**  [VIA]  103.85 11.15 0 top
VIA#3052  VAL**  [VIA]  103.85 11.15 0 top
VIA#3053  VAL**  [VIA]  103.85 11.15 0 top
VIA#3054  VAL**  [VIA]  103.85 11.15 0 top
VIA#3055  VAL**  [VIA]  107.25 7.25 0 top
VIA#3056  VAL**  [VIA]  107.25 7.25 0 top
VIA#3057  VAL**  [VIA]  106.45 8 0 top
VIA#3058  VAL**  [VIA]  107.25 7.25 0 top
VIA#3059  VAL**  [VIA]  106.45 8 0 top
VIA#3060  VAL**  [VIA]  106.45 8 0 top
VIA#3061  VAL**  [VIA]  107.25 7.25 0 top
VIA#3062  VAL**  [VIA]  106.45 8 0 top
VIA#3063  VAL**  [VIA]  104.65 10 0 top
VIA#3064  VAL**  [VIA]  105.45 9.1 0 top
VIA#3065  VAL**  [VIA]  105.45 9.1 0 top
VIA#3066  VAL**  [VIA]  104.65 10 0 top
VIA#3067  VAL**  [VIA]  105.45 9.1 0 top
VIA#3068  VAL**  [VIA]  104.65 10 0 top
VIA#3069  VAL**  [VIA]  105.45 9.1 0 top
VIA#3070  VAL**  [VIA]  104.65 10 0 top
VIA#3071  VAL**  [VIA]  109.85 7.25 0 top
VIA#3072  VAL**  [VIA]  108.55 7.25 0 top
VIA#3073  VAL**  [VIA]  109.85 7.25 0 top
VIA#3074  VAL**  [VIA]  109.85 7.25 0 top
VIA#3075  VAL**  [VIA]  108.55 7.25 0 top
VIA#3076  VAL**  [VIA]  109.85 7.25 0 top
VIA#3077  VAL**  [VIA]  108.55 7.25 0 top
VIA#3078  VAL**  [VIA]  108.55 7.25 0 top
VIA#3079  VAL**  [VIA]  110 9.95 0 top
VIA#3080  VAL**  [VIA]  110 9.95 0 top
VIA#3081  VAL**  [VIA]  108.9 9.95 0 top
VIA#3082  VAL**  [VIA]  108.9 9.95 0 top
VIA#3083  VAL**  [VIA]  110 9.95 0 top
VIA#3084  VAL**  [VIA]  110 9.95 0 top
VIA#3085  VAL**  [VIA]  108.9 9.95 0 top
VIA#3086  VAL**  [VIA]  112.15 11.35 0 top
VIA#3087  VAL**  [VIA]  111.25 10.5 0 top
VIA#3088  VAL**  [VIA]  112.15 11.35 0 top
VIA#3089  VAL**  [VIA]  111.25 10.5 0 top
VIA#3090  VAL**  [VIA]  111.25 10.5 0 top
VIA#3091  VAL**  [VIA]  112.15 11.35 0 top
VIA#3092  VAL**  [VIA]  111.25 10.5 0 top
VIA#3093  VAL**  [VIA]  112.3 7.75 0 top
VIA#3094  VAL**  [VIA]  111.15 7.25 0 top
VIA#3095  VAL**  [VIA]  111.15 7.25 0 top
VIA#3096  VAL**  [VIA]  112.3 7.75 0 top
VIA#3097  VAL**  [VIA]  111.15 7.25 0 top
VIA#3098  VAL**  [VIA]  112.3 7.75 0 top
VIA#3099  VAL**  [VIA]  112.3 7.75 0 top
VIA#3100  VAL**  [VIA]  111.15 7.25 0 top
VIA#3101  VAL**  [VIA]  107.95 10.45 0 top
VIA#3102  VAL**  [VIA]  107.95 10.45 0 top
VIA#3103  VAL**  [VIA]  107.95 10.45 0 top
VIA#3104  VAL**  [VIA]  108.9 9.95 0 top
VIA#3105  VAL**  [VIA]  107.95 10.45 0 top
VIA#3106  VAL**  [VIA]  110.4 19.75 0 top
VIA#3107  VAL**  [VIA]  109.6 19 0 top
VIA#3108  VAL**  [VIA]  109.6 19 0 top
VIA#3109  VAL**  [VIA]  109.6 19 0 top
VIA#3110  VAL**  [VIA]  109.6 19 0 top
VIA#3111  VAL**  [VIA]  111.8 24.2 0 top
VIA#3112  VAL**  [VIA]  111.8 25.2 0 top
VIA#3113  VAL**  [VIA]  111.8 25.2 0 top
VIA#3114  VAL**  [VIA]  111.8 25.2 0 top
VIA#3115  VAL**  [VIA]  111.8 24.2 0 top
VIA#3116  VAL**  [VIA]  111.8 24.2 0 top
VIA#3117  VAL**  [VIA]  111.8 25.2 0 top
VIA#3118  VAL**  [VIA]  110.4 19.75 0 top
VIA#3119  VAL**  [VIA]  111.1 20.5 0 top
VIA#3120  VAL**  [VIA]  111.1 20.5 0 top
VIA#3121  VAL**  [VIA]  111.1 20.5 0 top
VIA#3122  VAL**  [VIA]  111.1 20.5 0 top
VIA#3123  VAL**  [VIA]  110.4 19.75 0 top
VIA#3124  VAL**  [VIA]  111.95 18.25 0 top
VIA#3125  VAL**  [VIA]  111.95 18.25 0 top
VIA#3126  VAL**  [VIA]  110.4 19.75 0 top
VIA#3127  VAL**  [VIA]  111.95 18.25 0 top
VIA#3128  VAL**  [VIA]  111.95 18.25 0 top
VIA#3129  VAL**  [VIA]  111.8 21.2 0 top
VIA#3130  VAL**  [VIA]  111.8 22.2 0 top
VIA#3131  VAL**  [VIA]  111.8 22.2 0 top
VIA#3132  VAL**  [VIA]  111.8 21.2 0 top
VIA#3133  VAL**  [VIA]  111.8 21.2 0 top
VIA#3134  VAL**  [VIA]  111.8 22.2 0 top
VIA#3135  VAL**  [VIA]  111.8 22.2 0 top
VIA#3136  VAL**  [VIA]  111.8 23.2 0 top
VIA#3137  VAL**  [VIA]  111.8 24.2 0 top
VIA#3138  VAL**  [VIA]  111.8 23.2 0 top
VIA#3139  VAL**  [VIA]  111.8 23.2 0 top
VIA#3140  VAL**  [VIA]  111.8 23.2 0 top
VIA#3141  VAL**  [VIA]  107.2 11.3 0 top
VIA#3142  VAL**  [VIA]  106.65 12.3 0 top
VIA#3143  VAL**  [VIA]  107.2 11.3 0 top
VIA#3144  VAL**  [VIA]  106.65 12.3 0 top
